# Altium PCB DSP_FPGA.PcbDoc (part 6 of 7)
Units mm, origin at the board's own origin, x right, y up, seen from the top; angles counter-clockwise.
Board outline 243.59 x 170.13 mm, 2 copper layers (Top Layer, Bottom Layer); 649 components, 606 nets, 2327 pads, 2753 vias.
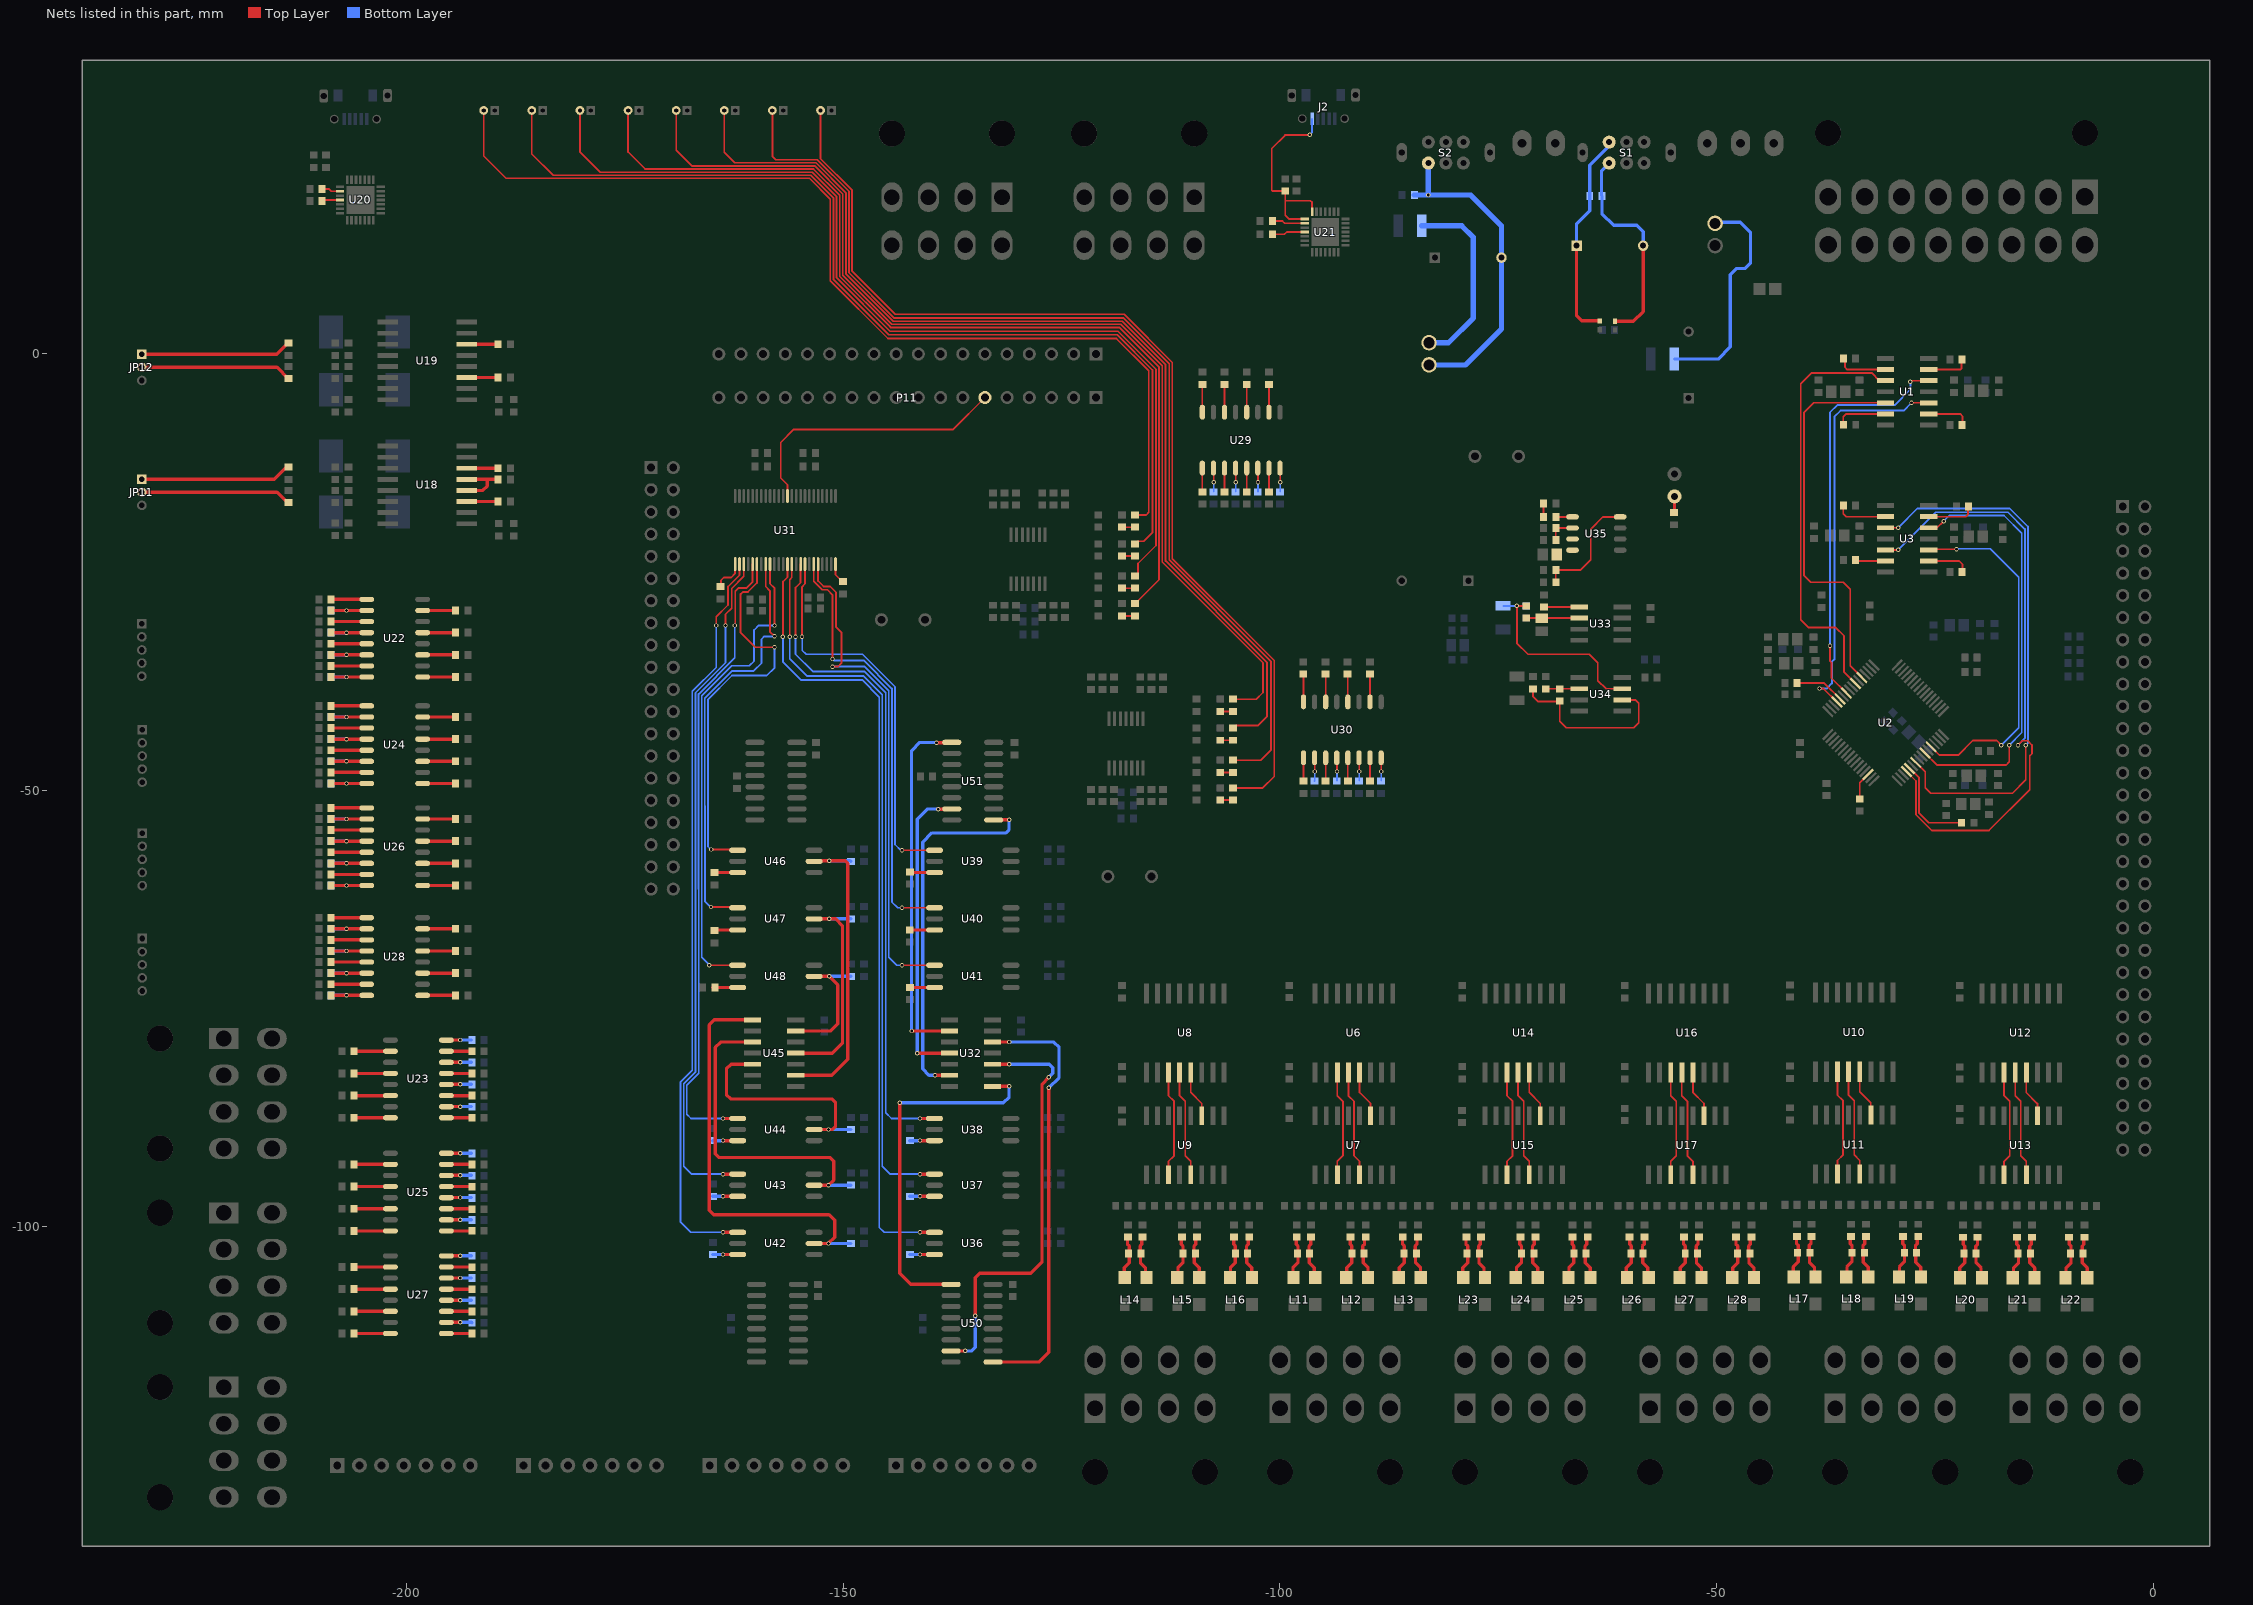
[diagram p6: the nets of this part, all layers, seen from the top]

## Via types
v1: diameter 0.5, hole 0.3, Top Layer to Bottom Layer, tented both sides, 2737 vias
v2: diameter 1.016, hole 0.508, Top Layer to Bottom Layer, tented both sides, 9 vias
v3: diameter 1, hole 0.5, Top Layer to Bottom Layer, tented both sides, 4 vias
v4: diameter 1.2, hole 0.6, Top Layer to Bottom Layer, tented both sides, 2 vias
v5: diameter 1.524, hole 0.762, Top Layer to Bottom Layer, tented both sides, 1 vias

## Nets (pads, with @x,y where several pads share a name; then routed paths per layer and width w, separated by ;. In a path a pad name is that pad's centre, name@x,y a point inside that pad or via, vN(x,y) a via of type N, cw(c..) or ccw(c..) an arc to the next point about the centre after c; other vN are vias at no path point) (continued)
NetC137_1: C137.1 J2.1 U21.7 U21.8 | length 22.8
  Top Layer w0.203: U21.8@-97.142,15.419 -98.985,15.419 -99.39,15.824 -99.39,17.59 ; v1@-96.584,25.019 -99.416,25.019 -100.946,23.489 -100.946,18.723 -100.827,18.604 C137.1@-99.39,18.604 -99.39,17.59 ; U21.7@-96.318,16.243 -96.318,17.311 -96.52,17.513 -99.314,17.513 -99.39,17.59
  Bottom Layer w0.203: v1@-96.584,25.019 -96.584,25.099 -96.321,25.361 J2.1@-96.321,26.899
  other v1: -96.584,25.059
NetC138_1: C138.1 C143.2 L29.1 S1.3 | length 24.3
  Top Layer w0.381: C138.1@-66.04,12.357 -66.04,4.331 -65.456,3.746 -63.419,3.746 L29.1@-63.398,3.726
  Bottom Layer w0.381: C138.1@-66.04,12.357 -66.04,14.859 -64.53,16.369 C143.2@-64.53,18.047 -64.53,21.55 -62.306,23.775 S1.3@-62.306,24.219
NetC138_2: C138.2 C143.1 L30.1 S1.4 | length 24.6
  Top Layer w0.381: L30.1@-61.646,3.708 -59.525,3.708 -58.42,4.813 C138.2@-58.42,12.357
  Bottom Layer w0.381: S1.4@-62.306,21.819 -63.182,20.942 -63.182,18.099 C143.1@-63.13,18.047 -63.13,16.013 -61.798,14.681 -59.144,14.681 -58.42,13.957 C138.2@-58.42,12.357
NetC139_2: C139.2 C140.1 D7.2 S2.4 | length 36.9
  Bottom Layer w0.61: C140.1@-84.617,18.166 v1(-83.007,18.166) ; S2.4@-83.007,21.819 v1(-83.007,18.166) ; D7.2@-82.931,-1.295 -78.753,-1.295 -74.638,2.819 C139.2@-74.638,10.986 -74.638,14.63 -78.173,18.166 v1(-83.007,18.166)
NetC152_1: C152.1 R297.2 U34.6 | length 3.8
  Top Layer w0.203: R297.2@-69.571,-38.379 C152.1@-67.97,-38.379 U34.6@-65.735,-38.379
NetC152_2: C152.2 R296.2 U34.2 | length 20.4
  Top Layer w0.203: R296.2@-71.018,-38.379 -71.018,-39.294 -70.485,-39.827 -68.018,-39.827 C152.2@-67.97,-39.779 -67.97,-42.113 -67.234,-42.85 -59.512,-42.85 -58.928,-42.266 -58.928,-40.056 -59.334,-39.649 U34.2@-60.808,-39.649
NetC153_2: C153.2 R295.2 U33.6 | length 5.9
  Top Layer w0.203: R295.2@-71.806,-30.29 C153.2@-70.028,-30.29 U33.6@-65.938,-30.29
NetC154_2: C154.2 C155.2 R295.1 U34.3 | length 23.4
  Top Layer w0.203: R295.1@-71.806,-28.89 v1(-72.873,-28.89) -72.873,-33.147 -71.603,-34.417 -64.592,-34.417 -63.602,-35.408 -63.602,-37.44 -62.662,-38.379 U34.3@-60.808,-38.379
  Bottom Layer w0.203: C154.2@-74.447,-28.89 v1(-72.873,-28.89) C155.2@-71.806,-28.89
NetC156_2: C156.2 U33.5 | length 4.2
  Top Layer w0.203: C156.2@-69.778,-29.019 U33.5@-65.735,-29.019 U33.5@-65.532,-29.019
NetC164_2: C164.2 R298.1 U35.6 | length 3.3
  Top Layer w0.203: R298.1@-68.413,-21.361 C164.2@-68.413,-19.964 U35.6@-66.504,-19.964
NetC166_2: C166.2 R301.1 | length 1.5
  Top Layer w0.203: R301.1@-69.813,-18.694 C166.2@-69.813,-17.17
NetD5_1: D5.1 R300.1 | length 1.9
  Top Layer w0.203: R300.1@-54.864,-18.198 R300.1@-54.826,-18.16
  Top Layer w0.381: R300.1@-54.826,-18.16 D5.1@-54.826,-16.345
NetD6_1: D6.1 R303.2 | length 26.2
  Bottom Layer w0.381: R303.2@-54.835,-0.622 -49.809,-0.622 -48.425,0.762 -48.425,9.042 -47.714,9.754 -46.741,9.754 -46.114,10.381 -46.114,13.856 -47.287,15.029 -50.059,15.029 D6.1@-50.178,14.91
NetD7_1: D7.1 R291.2 | length 21.9
  Bottom Layer w0.61: R291.2@-83.765,14.643 -79.197,14.643 -77.864,13.31 -77.864,4.089 -80.709,1.245 D7.1@-82.931,1.245
NetJP11_1: JP11.1 R150.1 | length 17.4
  Top Layer w0.381: JP11.1@-230.327,-14.375 -215.137,-14.375 -213.763,-13.002 R150.1@-213.538,-13.002 R150.1@-213.463,-13.002
NetJP11_2: JP11.2 R156.1 | length 17.2
  Top Layer w0.381: JP11.2@-230.327,-15.875 -214.836,-15.875 R156.1@-213.639,-17.072
NetJP12_1: JP12.2 R159.1 | length 17.3
  Top Layer w0.381: JP12.2@-230.327,-1.575 -214.836,-1.575 R159.1@-213.538,-2.873
NetJP12_2: JP12.1 R161.1 | length 17.3
  Top Layer w0.381: JP12.1@-230.327,-0.075 -214.859,-0.075 -213.588,1.197 R161.1@-213.538,1.197
NetJP15_2: JP15.2 R20.2 | length 118.4
  Top Layer w0.203: JP15.2@-152.609,27.843 -152.609,22.327 -148.996,18.715 -148.996,9.449 -144.043,4.496 -117.841,4.496 -112.331,-1.014 -112.331,-23.475 -100.66,-35.146 -100.66,-48.424 -101.967,-49.73 R20.2@-105.385,-49.73
NetJP16_2: JP16.2 R25.2 | length 119.9
  Top Layer w0.203: JP16.2@-158.118,27.843 -158.118,22.584 -157.734,22.2 -152.984,22.2 -149.352,18.567 -149.352,9.271 -144.145,4.064 -117.912,4.064 -112.687,-1.161 -112.687,-23.622 -101.016,-35.293 -101.016,-45.352 -102.219,-46.555 R25.2@-105.385,-46.555
NetJP17_2: JP17.2 R29.2 | length 120.4
  Top Layer w0.203: JP17.2@-163.628,27.843 -163.628,23.044 -162.428,21.844 -153.131,21.844 -149.708,18.42 -149.708,9.124 -144.292,3.708 -118.059,3.708 -113.093,-1.257 -113.093,-23.736 -101.498,-35.331 -101.498,-41.593 -102.48,-42.574 -105.036,-42.574 -105.335,-42.872 R29.2@-105.385,-42.872
NetJP18_2: JP18.2 R34.2 | length 121.8
  Top Layer w0.203: JP18.2@-169.137,27.843 -169.137,23.291 -167.335,21.488 -153.279,21.488 -150.063,18.273 -150.063,8.976 -144.44,3.353 -118.212,3.353 -113.487,-1.372 -113.487,-23.863 -101.943,-35.408 -101.943,-38.811 -102.702,-39.57 R34.2@-105.385,-39.57
NetJP19_2: JP19.2 R41.2 | length 109.5
  Top Layer w0.203: JP19.2@-174.647,27.843 -174.647,23.085 -172.695,21.133 -153.426,21.133 -150.419,18.126 -150.419,8.829 -144.587,2.997 -118.389,2.997 -113.843,-1.549 -113.843,-25.868 -116.263,-28.289 -116.263,-28.339 -116.561,-28.637 R41.2@-116.611,-28.637
NetJP20_2: JP20.2 R46.2 | length 111.2
  Top Layer w0.203: JP20.2@-180.157,27.843 -180.157,23.108 -177.825,20.777 -153.573,20.777 -150.774,17.978 -150.774,8.682 -144.658,2.565 -118.547,2.565 -114.198,-1.783 -114.198,-21.975 -116.263,-24.04 -116.263,-25.164 -116.561,-25.462 R46.2@-116.611,-25.462
NetJP21_2: JP21.2 R50.2 | length 112.9
  Top Layer w0.203: JP21.2@-185.666,27.843 -185.666,22.852 -183.236,20.422 -153.721,20.422 -151.13,17.831 -151.13,8.509 -144.78,2.159 -118.643,2.159 -114.605,-1.88 -114.605,-20.498 -115.588,-21.481 -116.313,-21.481 R50.2@-116.611,-21.779
NetJP22_2: JP22.2 R55.2 | length 114.9
  Top Layer w0.203: JP22.2@-191.176,27.843 -191.176,22.621 -188.62,20.066 -153.868,20.066 -151.486,17.684 -151.486,8.331 -144.882,1.727 -118.732,1.727 -115.037,-1.968 -115.037,-18.186 -115.327,-18.477 R55.2@-116.611,-18.477
NetL11_3: L11.3 R67.1 R68.1 | length 4.9
  Top Layer w0.381: R67.1@-96.671,-103.01 -96.671,-102.183 -96.482,-101.994 R68.1@-96.482,-101.17 ; R67.1@-96.646,-103.035 -96.646,-104.116 -96.075,-104.686 L11.3@-96.075,-105.829
NetL11_4: L11.4 R60.1 R67.2 | length 4.9
  Top Layer w0.381: L11.4@-98.514,-105.804 -98.514,-104.661 -97.944,-104.091 -97.944,-103.01 -97.944,-102.183 -98.133,-101.994 R60.1@-98.133,-101.17
NetL12_3: L12.3 R70.1 R71.1 | length 4.9
  Top Layer w0.381: R70.1@-90.509,-103.01 -90.509,-102.183 -90.32,-101.994 R71.1@-90.32,-101.17 ; R70.1@-90.484,-103.035 -90.484,-104.116 -89.914,-104.686 L12.3@-89.914,-105.829
NetL12_4: L12.4 R69.1 R70.2 | length 4.9
  Top Layer w0.381: L12.4@-92.352,-105.804 -92.352,-104.661 -91.782,-104.091 -91.782,-103.01 -91.782,-102.183 -91.971,-101.994 R69.1@-91.971,-101.17
NetL13_3: L13.3 R73.1 R74.1 | length 4.9
  Top Layer w0.381: R73.1@-84.503,-103.01 -84.503,-102.183 -84.314,-101.994 R74.1@-84.314,-101.17 ; R73.1@-84.478,-103.035 -84.478,-104.116 -83.908,-104.686 L13.3@-83.908,-105.829
NetL13_4: L13.4 R72.1 R73.2 | length 4.9
  Top Layer w0.381: L13.4@-86.346,-105.804 -86.346,-104.661 -85.776,-104.091 -85.776,-103.01 -85.776,-102.183 -85.965,-101.994 R72.1@-85.965,-101.17
NetL14_3: L14.3 R82.1 R83.1 | length 4.9
  Top Layer w0.381: R82.1@-116,-103.01 -116,-102.183 -115.811,-101.994 R83.1@-115.811,-101.17 ; R82.1@-115.975,-103.035 -115.975,-104.116 -115.405,-104.686 L14.3@-115.405,-105.829
NetL14_4: L14.4 R75.1 R82.2 | length 4.9
  Top Layer w0.381: L14.4@-117.843,-105.804 -117.843,-104.661 -117.273,-104.091 -117.273,-103.01 -117.273,-102.183 -117.462,-101.994 R75.1@-117.462,-101.17
NetL15_3: L15.3 R85.1 R86.1 | length 4.9
  Top Layer w0.381: R85.1@-109.838,-103.01 -109.838,-102.183 -109.649,-101.994 R86.1@-109.649,-101.17 ; R85.1@-109.813,-103.035 -109.813,-104.116 -109.243,-104.686 L15.3@-109.243,-105.829
NetL15_4: L15.4 R84.1 R85.2 | length 4.9
  Top Layer w0.381: L15.4@-111.681,-105.804 -111.681,-104.661 -111.111,-104.091 -111.111,-103.01 -111.111,-102.183 -111.3,-101.994 R84.1@-111.3,-101.17
NetL16_3: L16.3 R88.1 R89.1 | length 4.9
  Top Layer w0.381: R88.1@-103.832,-103.01 -103.832,-102.183 -103.643,-101.994 R89.1@-103.643,-101.17 ; R88.1@-103.807,-103.035 -103.807,-104.116 -103.237,-104.686 L16.3@-103.237,-105.829
NetL16_4: L16.4 R87.1 R88.2 | length 4.9
  Top Layer w0.381: L16.4@-105.675,-105.804 -105.675,-104.661 -105.105,-104.091 -105.105,-103.01 -105.105,-102.183 -105.294,-101.994 R87.1@-105.294,-101.17
NetL17_3: L17.3 R97.1 R98.1 | length 4.9
  Top Layer w0.381: R97.1@-39.394,-102.934 -39.394,-102.106 -39.205,-101.917 R98.1@-39.205,-101.093 ; R97.1@-39.369,-102.959 -39.369,-104.04 -38.799,-104.61 L17.3@-38.799,-105.753
NetL17_4: L17.4 R90.1 R97.2 | length 4.9
  Top Layer w0.381: L17.4@-41.237,-105.727 -41.237,-104.584 -40.667,-104.014 -40.667,-102.934 -40.667,-102.106 -40.856,-101.917 R90.1@-40.856,-101.093
NetL18_3: L18.3 R100.1 R101.1 | length 4.9
  Top Layer w0.381: R100.1@-33.232,-102.933 -33.232,-102.106 -33.043,-101.917 R101.1@-33.043,-101.093 ; R100.1@-33.207,-102.959 -33.207,-104.04 -32.637,-104.61 L18.3@-32.637,-105.753
NetL18_4: L18.4 R99.1 R100.2 | length 4.9
  Top Layer w0.381: L18.4@-35.075,-105.727 -35.075,-104.584 -34.505,-104.014 -34.505,-102.933 -34.505,-102.106 -34.694,-101.917 R99.1@-34.694,-101.093
NetL19_3: L19.3 R103.1 R104.1 | length 4.9
  Top Layer w0.381: R103.1@-27.226,-102.933 -27.226,-102.106 -27.037,-101.917 R104.1@-27.037,-101.093 ; R103.1@-27.201,-102.959 -27.201,-104.04 -26.631,-104.61 L19.3@-26.631,-105.753
NetL19_4: L19.4 R102.1 R103.2 | length 4.9
  Top Layer w0.381: L19.4@-29.069,-105.727 -29.069,-104.584 -28.499,-104.014 -28.499,-102.933 -28.499,-102.106 -28.688,-101.917 R102.1@-28.688,-101.093
NetL20_3: L20.3 R112.1 R113.1 | length 4.9
  Top Layer w0.381: R112.1@-20.319,-103.022 -20.319,-102.195 -20.13,-102.006 R113.1@-20.13,-101.182 ; R112.1@-20.293,-103.048 -20.293,-104.129 -19.723,-104.699 L20.3@-19.723,-105.842
NetL20_4: L20.4 R105.1 R112.2 | length 4.9
  Top Layer w0.381: L20.4@-22.162,-105.816 -22.162,-104.673 -21.592,-104.103 -21.592,-103.022 -21.592,-102.195 -21.781,-102.006 R105.1@-21.781,-101.182
NetL21_3: L21.3 R115.1 R116.1 | length 4.9
  Top Layer w0.381: R115.1@-14.157,-103.022 -14.157,-102.195 -13.968,-102.006 R116.1@-13.968,-101.182 ; R115.1@-14.131,-103.048 -14.131,-104.129 -13.561,-104.699 L21.3@-13.561,-105.842
NetL21_4: L21.4 R114.1 R115.2 | length 4.9
  Top Layer w0.381: L21.4@-16,-105.816 -16,-104.673 -15.43,-104.103 -15.43,-103.022 -15.43,-102.195 -15.619,-102.006 R114.1@-15.619,-101.182
NetL22_3: L22.3 R118.1 R119.1 | length 4.9
  Top Layer w0.381: R118.1@-8.151,-103.022 -8.151,-102.195 -7.962,-102.006 R119.1@-7.962,-101.182 ; R118.1@-8.125,-103.048 -8.125,-104.129 -7.555,-104.699 L22.3@-7.555,-105.842
NetL22_4: L22.4 R117.1 R118.2 | length 4.9
  Top Layer w0.381: L22.4@-9.994,-105.816 -9.994,-104.673 -9.424,-104.103 -9.424,-103.022 -9.424,-102.195 -9.613,-102.006 R117.1@-9.613,-101.182
NetL23_3: L23.3 R127.1 R128.1 | length 4.9
  Top Layer w0.381: R127.1@-77.24,-103.01 -77.24,-102.183 -77.051,-101.994 R128.1@-77.051,-101.17 ; R127.1@-77.215,-103.035 -77.215,-104.116 -76.644,-104.686 L23.3@-76.644,-105.829
NetL23_4: L23.4 R120.1 R127.2 | length 4.9
  Top Layer w0.381: L23.4@-79.083,-105.804 -79.083,-104.661 -78.513,-104.091 -78.513,-103.01 -78.513,-102.183 -78.702,-101.994 R120.1@-78.702,-101.17
NetL24_3: L24.3 R130.1 R131.1 | length 4.9
  Top Layer w0.381: R130.1@-71.078,-103.01 -71.078,-102.183 -70.889,-101.994 R131.1@-70.889,-101.17 ; R130.1@-71.053,-103.035 -71.053,-104.116 -70.483,-104.686 L24.3@-70.483,-105.829
NetL24_4: L24.4 R129.1 R130.2 | length 4.9
  Top Layer w0.381: L24.4@-72.921,-105.804 -72.921,-104.661 -72.351,-104.091 -72.351,-103.01 -72.351,-102.183 -72.54,-101.994 R129.1@-72.54,-101.17
NetL25_3: L25.3 R133.1 R134.1 | length 4.9
  Top Layer w0.381: R133.1@-65.072,-103.01 -65.072,-102.183 -64.883,-101.994 R134.1@-64.883,-101.17 ; R133.1@-65.047,-103.035 -65.047,-104.116 -64.477,-104.686 L25.3@-64.477,-105.829
NetL25_4: L25.4 R132.1 R133.2 | length 4.9
  Top Layer w0.381: L25.4@-66.915,-105.804 -66.915,-104.661 -66.345,-104.091 -66.345,-103.01 -66.345,-102.183 -66.534,-101.994 R132.1@-66.534,-101.17
NetL26_3: L26.3 R142.1 R143.1 | length 4.9
  Top Layer w0.381: R142.1@-58.495,-103.01 -58.495,-102.183 -58.306,-101.994 R143.1@-58.306,-101.17 ; R142.1@-58.469,-103.035 -58.469,-104.116 -57.899,-104.686 L26.3@-57.899,-105.829
NetL26_4: L26.4 R135.1 R142.2 | length 4.9
  Top Layer w0.381: L26.4@-60.338,-105.804 -60.338,-104.661 -59.768,-104.091 -59.768,-103.01 -59.768,-102.183 -59.957,-101.994 R135.1@-59.957,-101.17
NetL27_3: L27.3 R145.1 R146.1 | length 4.9
  Top Layer w0.381: R145.1@-52.333,-103.01 -52.333,-102.183 -52.144,-101.994 R146.1@-52.144,-101.17 ; R145.1@-52.307,-103.035 -52.307,-104.116 -51.737,-104.686 L27.3@-51.737,-105.829
NetL27_4: L27.4 R144.1 R145.2 | length 4.9
  Top Layer w0.381: L27.4@-54.176,-105.804 -54.176,-104.661 -53.606,-104.091 -53.606,-103.01 -53.606,-102.183 -53.795,-101.994 R144.1@-53.795,-101.17
NetL28_3: L28.3 R148.1 R149.1 | length 4.9
  Top Layer w0.381: R148.1@-46.327,-103.01 -46.327,-102.183 -46.138,-101.994 R149.1@-46.138,-101.17 ; R148.1@-46.301,-103.035 -46.301,-104.116 -45.731,-104.686 L28.3@-45.731,-105.829
NetL28_4: L28.4 R147.1 R148.2 | length 4.9
  Top Layer w0.381: L28.4@-48.17,-105.804 -48.17,-104.661 -47.6,-104.091 -47.6,-103.01 -47.6,-102.183 -47.789,-101.994 R147.1@-47.789,-101.17
NetL33_1: L33.1 U35.7 U35.8
NetR1_1: R1.1 U1.2 | length 5
  Top Layer w0.203: U1.2@-25.73,-6.909 -22.098,-6.909 -21.844,-7.163 -21.844,-8.117 R1.1@-21.906,-8.179
NetR2_1: R2.1 U1.6 | length 4.9
  Top Layer w0.203: U1.6@-25.73,-1.829 -22.098,-1.829 -21.971,-1.702 -21.971,-0.751 R2.1@-21.906,-0.686
NetR3_1: R3.1 U1.9 | length 5.6
  Top Layer w0.203: R3.1@-35.306,-0.751 -35.306,-1.575 -35.052,-1.829 U1.9@-30.658,-1.829
NetR4_1: R4.1 U2.12 | length 5.7
  Top Layer w0.203: R4.1@-40.781,-37.732 -37.679,-37.732 U2.12@-35.857,-39.555
NetR6_1: R6.1 U2.37 | length 10.7
  Top Layer w0.203: U2.37@-27.909,-47.502 -26.822,-48.589 -26.822,-52.634 -25.735,-53.721 R6.1@-22.111,-53.721
NetR7_1: R7.1 U1.13 | length 5.8
  Top Layer w0.203: R7.1@-35.498,-8.052 -35.498,-7.228 -35.179,-6.909 U1.13@-30.658,-6.909
NetR13_1: R13.1 U3.2 | length 5
  Top Layer w0.203: U3.2@-25.73,-23.749 -22.225,-23.749 -21.844,-24.13 -21.844,-24.957 R13.1@-21.906,-25.019
NetR14_2: R14.2 U2.30 | length 3.2
  Top Layer w0.203: R14.2@-33.607,-51.002 -33.607,-49.142 U2.30@-32.675,-48.209
NetR15_1: R15.1 U3.6 | length 5.5
  Top Layer w0.203: U3.6@-25.73,-18.669 -21.463,-18.669 -21.209,-18.415 -21.209,-17.591 R15.1@-21.144,-17.526
NetR16_1: R16.1 U3.9 | length 5.9
  Top Layer w0.203: R16.1@-35.498,-17.399 -35.498,-18.35 -35.179,-18.669 U3.9@-30.658,-18.669
NetR17_1: R17.1 U3.13 | length 3.5
  Top Layer w0.203: R17.1@-34.098,-23.622 -33.971,-23.749 U3.13@-30.658,-23.749
NetR20_1: R20.1 R21.2 | length 1.5
  Top Layer w0.203: R21.2@-106.845,-51.13 R20.1@-105.385,-51.13
NetR25_1: R25.1 R26.2 | length 1.5
  Top Layer w0.203: R26.2@-106.845,-47.955 R25.1@-105.385,-47.955
NetR29_1: R29.1 R30.2 | length 1.5
  Top Layer w0.203: R30.2@-106.845,-44.272 R29.1@-105.385,-44.272
NetR34_1: R34.1 R35.2 | length 1.5
  Top Layer w0.203: R35.2@-106.845,-40.97 R34.1@-105.385,-40.97
NetR41_1: R41.1 R42.2 | length 1.5
  Top Layer w0.203: R42.2@-118.072,-30.037 R41.1@-116.611,-30.037
NetR46_1: R46.1 R47.2 | length 1.5
  Top Layer w0.203: R47.2@-118.072,-26.862 R46.1@-116.611,-26.862
NetR50_1: R50.1 R51.2 | length 1.5
  Top Layer w0.203: R51.2@-118.072,-23.179 R50.1@-116.611,-23.179
NetR55_1: R55.1 R56.2 | length 1.5
  Top Layer w0.203: R56.2@-118.072,-19.877 R55.1@-116.611,-19.877
NetR151_2: R151.2 U18.3 | length 3.6
  Top Layer w0.381: U18.3@-193.116,-16.942 R151.2@-189.512,-16.942
NetR153_2: R153.2 U18.4 U18.5 | length 6.9
  Top Layer w0.381: U18.4@-193.116,-15.672 -191.287,-15.672 -190.779,-15.164 -190.779,-14.402 ; U18.5@-193.116,-14.402 -190.779,-14.402 ; R153.2@-189.512,-14.402 -190.779,-14.402
NetR154_2: R154.2 U18.6 | length 3.6
  Top Layer w0.381: U18.6@-193.116,-13.132 R154.2@-189.512,-13.132
NetR158_2: R158.2 U19.3 | length 3.6
  Top Layer w0.381: U19.3@-193.116,-2.743 R158.2@-189.512,-2.743
NetR160_2: R160.2 U19.6 | length 3.6
  Top Layer w0.381: U19.6@-193.116,1.067 R160.2@-189.512,1.067
NetR163_2: R163.2 U20.9 | length 2.2
  Top Layer w0.203: R163.2@-209.688,18.86 -209.661,18.832 -208.862,18.832 -208.62,18.59 U20.9@-207.632,18.59
NetR164_2: R164.2 U20.11 | length 2.1
  Top Layer w0.203: R164.2@-209.688,17.463 -209.561,17.59 U20.11@-207.632,17.59
NetR165_2: R165.2 U21.9 | length 4.2
  Top Layer w0.203: R165.2@-101.1,15.173 -99.717,15.173 -99.463,14.919 U21.9@-97.367,14.919 ; R165.2@-100.875,15.173 R165.2@-100.621,14.919
NetR166_2: R166.2 U21.11 | length 3.8
  Top Layer w0.203: R166.2@-100.875,13.665 -99.492,13.665 -99.238,13.919 U21.11@-97.142,13.919
NetR167_1: R167.1 R172.1 U22.16 | length 5.8
  Top Layer w0.381: R172.1@-208.647,-37.033 v1(-206.883,-37.033) U22.16@-204.571,-37.033
  Bottom Layer w0.381: R167.1@-208.647,-37.033 v1(-206.883,-37.033)
NetR168_1: R168.1 R175.1 U22.14 | length 5.8
  Top Layer w0.381: R175.1@-208.647,-34.493 v1(-206.883,-34.493) U22.14@-204.571,-34.493
  Bottom Layer w0.381: R168.1@-208.647,-34.493 v1(-206.883,-34.493)
NetR169_1: R169.1 R178.1 U22.12 | length 5.8
  Top Layer w0.381: R178.1@-208.647,-31.953 v1(-206.883,-31.953) U22.12@-204.571,-31.953
  Bottom Layer w0.381: R169.1@-208.647,-31.953 v1(-206.883,-31.953)
NetR170_1: R170.1 R181.1 U22.10 | length 5.8
  Top Layer w0.381: R181.1@-208.647,-29.413 v1(-206.883,-29.413) U22.10@-204.571,-29.413
  Bottom Layer w0.381: R170.1@-208.647,-29.413 v1(-206.883,-29.413)
NetR171_2: R171.2 U22.1 | length 3.8
  Top Layer w0.381: U22.1@-198.171,-37.033 R171.2@-194.393,-37.033
NetR173_1: R173.1 U22.15 | length 4.1
  Top Layer w0.381: R173.1@-208.647,-35.763 U22.15@-204.571,-35.763
NetR174_2: R174.2 U22.3 | length 3.8
  Top Layer w0.381: U22.3@-198.171,-34.493 R174.2@-194.393,-34.493
NetR176_1: R176.1 U22.13 | length 4.1
  Top Layer w0.381: R176.1@-208.647,-33.223 U22.13@-204.571,-33.223
NetR177_2: R177.2 U22.5 | length 3.8
  Top Layer w0.381: U22.5@-198.171,-31.953 R177.2@-194.393,-31.953
NetR179_1: R179.1 U22.11 | length 4.1
  Top Layer w0.381: R179.1@-208.647,-30.683 U22.11@-204.571,-30.683
NetR180_2: R180.2 U22.7 | length 3.8
  Top Layer w0.381: U22.7@-198.171,-29.413 R180.2@-194.393,-29.413
NetR182_1: R182.1 U22.9 | length 4.1
  Top Layer w0.381: R182.1@-208.647,-28.143 U22.9@-204.571,-28.143
NetR183_2: R183.2 U23.16 | length 2.9
  Top Layer w0.381: U23.16@-195.44,-78.6 v1(-193.853,-78.6)
  Bottom Layer w0.381: v1(-193.853,-78.6) R183.2@-192.572,-78.6
NetR184_2: R184.2 U23.15 | length 2.9
  Top Layer w0.381: U23.15@-195.453,-79.883 R184.2@-192.533,-79.883
NetR185_1: R185.1 U23.2 | length 4.2
  Top Layer w0.381: R185.1@-206.005,-79.883 U23.2@-201.853,-79.883
NetR186_2: R186.2 U23.14 | length 2.9
  Top Layer w0.381: U23.14@-195.44,-81.14 v1(-193.853,-81.14)
  Bottom Layer w0.381: v1(-193.853,-81.14) R186.2@-192.572,-81.14
NetR187_2: R187.2 U23.13 | length 2.9
  Top Layer w0.381: U23.13@-195.453,-82.423 R187.2@-192.521,-82.423
NetR188_1: R188.1 U23.4 | length 4.2
  Top Layer w0.381: R188.1@-206.005,-82.423 U23.4@-201.853,-82.423
NetR189_2: R189.2 U23.12 | length 2.9
  Top Layer w0.381: U23.12@-195.44,-83.68 v1(-193.853,-83.68)
  Bottom Layer w0.381: v1(-193.853,-83.68) R189.2@-192.572,-83.68
NetR190_2: R190.2 U23.11 | length 2.9
  Top Layer w0.381: U23.11@-195.453,-84.963 R190.2@-192.533,-84.963
NetR191_1: R191.1 U23.6 | length 4.2
  Top Layer w0.381: R191.1@-206.005,-84.963 U23.6@-201.853,-84.963
NetR192_2: R192.2 U23.10 | length 2.9
  Top Layer w0.381: U23.10@-195.44,-86.22 v1(-193.853,-86.22)
  Bottom Layer w0.381: v1(-193.853,-86.22) R192.2@-192.572,-86.22